# KiCad board panel.kicad_pcb (continued)
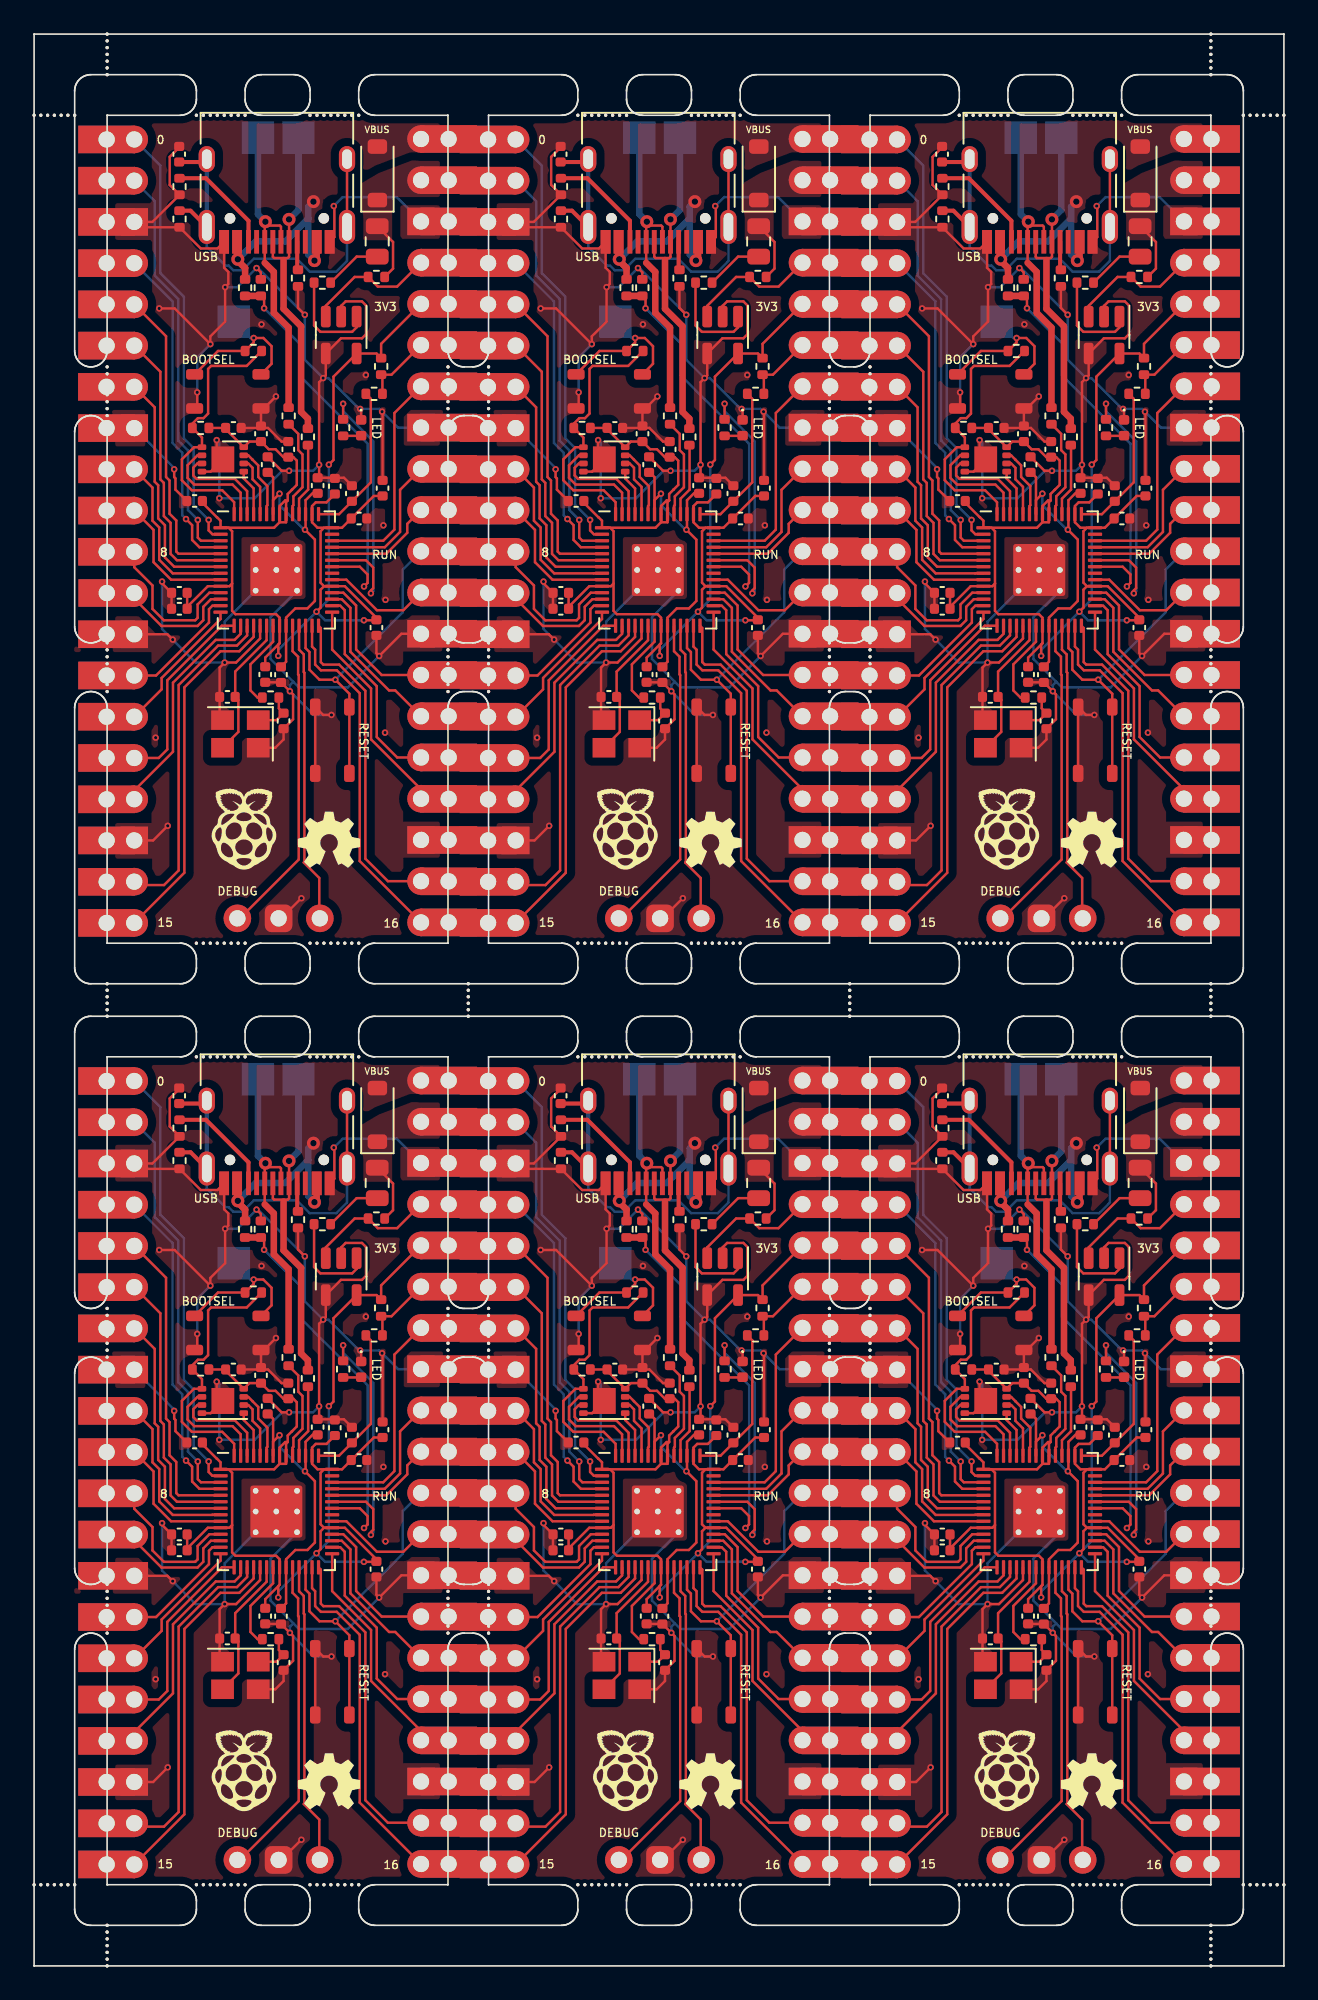
[diagram p0: board, top side]
## Placement (name value [footprint] x y rotation side) (continued)
KiKit_MB_33_3  -  [NPTH]  28 38.36 0 top
KiKit_MB_33_4  -  [NPTH]  28 38.79 0 top
KiKit_MB_33_5  -  [NPTH]  28 39.21 0 top
KiKit_MB_33_6  -  [NPTH]  28 39.64 0 top
KiKit_MB_33_7  -  [NPTH]  28 40.07 0 top
KiKit_MB_33_8  -  [NPTH]  28 40.5 0 top
KiKit_MB_34_1  -  [NPTH]  28 20.5 0 top
KiKit_MB_34_2  -  [NPTH]  28 20.93 0 top
KiKit_MB_34_3  -  [NPTH]  28 21.36 0 top
KiKit_MB_34_4  -  [NPTH]  28 21.79 0 top
KiKit_MB_34_5  -  [NPTH]  28 22.21 0 top
KiKit_MB_34_6  -  [NPTH]  28 22.64 0 top
KiKit_MB_34_7  -  [NPTH]  28 23.07 0 top
KiKit_MB_34_8  -  [NPTH]  28 23.5 0 top
KiKit_MB_35_1  -  [NPTH]  49 40.5 0 top
KiKit_MB_35_2  -  [NPTH]  49 40.07 0 top
KiKit_MB_35_3  -  [NPTH]  49 39.64 0 top
KiKit_MB_35_4  -  [NPTH]  49 39.21 0 top
KiKit_MB_35_5  -  [NPTH]  49 38.79 0 top
KiKit_MB_35_6  -  [NPTH]  49 38.36 0 top
KiKit_MB_35_7  -  [NPTH]  49 37.93 0 top
KiKit_MB_35_8  -  [NPTH]  49 37.5 0 top
KiKit_MB_36_1  -  [NPTH]  49 23.5 0 top
KiKit_MB_36_2  -  [NPTH]  49 23.07 0 top
KiKit_MB_36_3  -  [NPTH]  49 22.64 0 top
KiKit_MB_36_4  -  [NPTH]  49 22.21 0 top
KiKit_MB_36_5  -  [NPTH]  49 21.79 0 top
KiKit_MB_36_6  -  [NPTH]  49 21.36 0 top
KiKit_MB_36_7  -  [NPTH]  49 20.93 0 top
KiKit_MB_36_8  -  [NPTH]  49 20.5 0 top
KiKit_MB_37_1  -  [NPTH]  33.5 56 0 top
KiKit_MB_37_2  -  [NPTH]  33.93 56 0 top
KiKit_MB_37_3  -  [NPTH]  34.36 56 0 top
KiKit_MB_37_4  -  [NPTH]  34.79 56 0 top
KiKit_MB_37_5  -  [NPTH]  35.21 56 0 top
KiKit_MB_37_6  -  [NPTH]  35.64 56 0 top
KiKit_MB_37_7  -  [NPTH]  36.07 56 0 top
KiKit_MB_37_8  -  [NPTH]  36.5 56 0 top
KiKit_MB_38_1  -  [NPTH]  40.5 56 0 top
KiKit_MB_38_2  -  [NPTH]  40.93 56 0 top
KiKit_MB_38_3  -  [NPTH]  41.36 56 0 top
KiKit_MB_38_4  -  [NPTH]  41.79 56 0 top
KiKit_MB_38_5  -  [NPTH]  42.21 56 0 top
KiKit_MB_38_6  -  [NPTH]  42.64 56 0 top
KiKit_MB_38_7  -  [NPTH]  43.07 56 0 top
KiKit_MB_38_8  -  [NPTH]  43.5 56 0 top
KiKit_MB_39_1  -  [NPTH]  36.5 5 0 top
KiKit_MB_39_2  -  [NPTH]  36.07 5 0 top
KiKit_MB_39_3  -  [NPTH]  35.64 5 0 top
KiKit_MB_39_4  -  [NPTH]  35.21 5 0 top
KiKit_MB_39_5  -  [NPTH]  34.79 5 0 top
KiKit_MB_39_6  -  [NPTH]  34.36 5 0 top
KiKit_MB_39_7  -  [NPTH]  33.93 5 0 top
KiKit_MB_39_8  -  [NPTH]  33.5 5 0 top
KiKit_MB_40_1  -  [NPTH]  43.5 5 0 top
KiKit_MB_40_2  -  [NPTH]  43.07 5 0 top
KiKit_MB_40_3  -  [NPTH]  42.64 5 0 top
KiKit_MB_40_4  -  [NPTH]  42.21 5 0 top
KiKit_MB_40_5  -  [NPTH]  41.79 5 0 top
KiKit_MB_40_6  -  [NPTH]  41.36 5 0 top
KiKit_MB_40_7  -  [NPTH]  40.93 5 0 top
KiKit_MB_40_8  -  [NPTH]  40.5 5 0 top
KiKit_MB_41_1  -  [NPTH]  51.5 37.5 0 top
KiKit_MB_41_2  -  [NPTH]  51.5 37.93 0 top
KiKit_MB_41_3  -  [NPTH]  51.5 38.36 0 top
KiKit_MB_41_4  -  [NPTH]  51.5 38.79 0 top
KiKit_MB_41_5  -  [NPTH]  51.5 39.21 0 top
KiKit_MB_41_6  -  [NPTH]  51.5 39.64 0 top
KiKit_MB_41_7  -  [NPTH]  51.5 40.07 0 top
KiKit_MB_41_8  -  [NPTH]  51.5 40.5 0 top
KiKit_MB_42_1  -  [NPTH]  51.5 20.5 0 top
KiKit_MB_42_2  -  [NPTH]  51.5 20.93 0 top
KiKit_MB_42_3  -  [NPTH]  51.5 21.36 0 top
KiKit_MB_42_4  -  [NPTH]  51.5 21.79 0 top
KiKit_MB_42_5  -  [NPTH]  51.5 22.21 0 top
KiKit_MB_42_6  -  [NPTH]  51.5 22.64 0 top
KiKit_MB_42_7  -  [NPTH]  51.5 23.07 0 top
KiKit_MB_42_8  -  [NPTH]  51.5 23.5 0 top
KiKit_MB_43_1  -  [NPTH]  72.5 40.5 0 top
KiKit_MB_43_2  -  [NPTH]  72.5 40.07 0 top
KiKit_MB_43_3  -  [NPTH]  72.5 39.64 0 top
KiKit_MB_43_4  -  [NPTH]  72.5 39.21 0 top
KiKit_MB_43_5  -  [NPTH]  72.5 38.79 0 top
KiKit_MB_43_6  -  [NPTH]  72.5 38.36 0 top
KiKit_MB_43_7  -  [NPTH]  72.5 37.93 0 top
KiKit_MB_43_8  -  [NPTH]  72.5 37.5 0 top
KiKit_MB_44_1  -  [NPTH]  72.5 23.5 0 top
KiKit_MB_44_2  -  [NPTH]  72.5 23.07 0 top
KiKit_MB_44_3  -  [NPTH]  72.5 22.64 0 top
KiKit_MB_44_4  -  [NPTH]  72.5 22.21 0 top
KiKit_MB_44_5  -  [NPTH]  72.5 21.79 0 top
KiKit_MB_44_6  -  [NPTH]  72.5 21.36 0 top
KiKit_MB_44_7  -  [NPTH]  72.5 20.93 0 top
KiKit_MB_44_8  -  [NPTH]  72.5 20.5 0 top
KiKit_MB_45_1  -  [NPTH]  57 56 0 top
KiKit_MB_45_2  -  [NPTH]  57.43 56 0 top
KiKit_MB_45_3  -  [NPTH]  57.86 56 0 top
KiKit_MB_45_4  -  [NPTH]  58.29 56 0 top
KiKit_MB_45_5  -  [NPTH]  58.71 56 0 top
KiKit_MB_45_6  -  [NPTH]  59.14 56 0 top
KiKit_MB_45_7  -  [NPTH]  59.57 56 0 top
KiKit_MB_45_8  -  [NPTH]  60 56 0 top
KiKit_MB_46_1  -  [NPTH]  64 56 0 top
KiKit_MB_46_2  -  [NPTH]  64.43 56 0 top
KiKit_MB_46_3  -  [NPTH]  64.86 56 0 top
KiKit_MB_46_4  -  [NPTH]  65.29 56 0 top
KiKit_MB_46_5  -  [NPTH]  65.71 56 0 top
KiKit_MB_46_6  -  [NPTH]  66.14 56 0 top
KiKit_MB_46_7  -  [NPTH]  66.57 56 0 top
KiKit_MB_46_8  -  [NPTH]  67 56 0 top
KiKit_MB_47_1  -  [NPTH]  60 5 0 top
KiKit_MB_47_2  -  [NPTH]  59.57 5 0 top
KiKit_MB_47_3  -  [NPTH]  59.14 5 0 top
KiKit_MB_47_4  -  [NPTH]  58.71 5 0 top
KiKit_MB_47_5  -  [NPTH]  58.29 5 0 top
KiKit_MB_47_6  -  [NPTH]  57.86 5 0 top
KiKit_MB_47_7  -  [NPTH]  57.43 5 0 top
KiKit_MB_47_8  -  [NPTH]  57 5 0 top
KiKit_MB_48_1  -  [NPTH]  67 5 0 top
KiKit_MB_48_2  -  [NPTH]  66.57 5 0 top
KiKit_MB_48_3  -  [NPTH]  66.14 5 0 top
KiKit_MB_48_4  -  [NPTH]  65.71 5 0 top
KiKit_MB_48_5  -  [NPTH]  65.29 5 0 top
KiKit_MB_48_6  -  [NPTH]  64.86 5 0 top
KiKit_MB_48_7  -  [NPTH]  64.43 5 0 top
KiKit_MB_48_8  -  [NPTH]  64 5 0 top
KiKit_MB_49_1  -  [NPTH]  26.75 58.5 0 top
KiKit_MB_49_2  -  [NPTH]  26.75 58.9 0 top
KiKit_MB_49_3  -  [NPTH]  26.75 59.3 0 top
KiKit_MB_49_4  -  [NPTH]  26.75 59.7 0 top
KiKit_MB_49_5  -  [NPTH]  26.75 60.1 0 top
KiKit_MB_49_6  -  [NPTH]  26.75 60.5 0 top
KiKit_MB_50_1  -  [NPTH]  50.25 60.5 0 top
KiKit_MB_50_2  -  [NPTH]  50.25 60.1 0 top
KiKit_MB_50_3  -  [NPTH]  50.25 59.7 0 top
KiKit_MB_50_4  -  [NPTH]  50.25 59.3 0 top
KiKit_MB_50_5  -  [NPTH]  50.25 58.9 0 top
KiKit_MB_50_6  -  [NPTH]  50.25 58.5 0 top
KiKit_MB_51_1  -  [NPTH]  4.5 60.5 0 top
KiKit_MB_51_2  -  [NPTH]  4.5 60.1 0 top
KiKit_MB_51_3  -  [NPTH]  4.5 59.7 0 top
KiKit_MB_51_4  -  [NPTH]  4.5 59.3 0 top
KiKit_MB_51_5  -  [NPTH]  4.5 58.9 0 top
KiKit_MB_51_6  -  [NPTH]  4.5 58.5 0 top
KiKit_MB_52_1  -  [NPTH]  72.5 60.5 0 top
KiKit_MB_52_2  -  [NPTH]  72.5 60.1 0 top
KiKit_MB_52_3  -  [NPTH]  72.5 59.7 0 top
KiKit_MB_52_4  -  [NPTH]  72.5 59.3 0 top
KiKit_MB_52_5  -  [NPTH]  72.5 58.9 0 top
KiKit_MB_52_6  -  [NPTH]  72.5 58.5 0 top
KiKit_MB_53_1  -  [NPTH]  4.5 119 0 top
KiKit_MB_53_2  -  [NPTH]  4.5 118.58 0 top
KiKit_MB_53_3  -  [NPTH]  4.5 118.17 0 top
KiKit_MB_53_4  -  [NPTH]  4.5 117.75 0 top
KiKit_MB_53_5  -  [NPTH]  4.5 117.33 0 top
KiKit_MB_53_6  -  [NPTH]  4.5 116.92 0 top
KiKit_MB_53_7  -  [NPTH]  4.5 116.5 0 top
KiKit_MB_54_1  -  [NPTH]  72.5 119 0 top
KiKit_MB_54_2  -  [NPTH]  72.5 118.58 0 top
KiKit_MB_54_3  -  [NPTH]  72.5 118.17 0 top
KiKit_MB_54_4  -  [NPTH]  72.5 117.75 0 top
KiKit_MB_54_5  -  [NPTH]  72.5 117.33 0 top
KiKit_MB_54_6  -  [NPTH]  72.5 116.92 0 top
KiKit_MB_54_7  -  [NPTH]  72.5 116.5 0 top
KiKit_MB_55_1  -  [NPTH]  4.5 2.5 0 top
KiKit_MB_55_2  -  [NPTH]  4.5 2.08 0 top
KiKit_MB_55_3  -  [NPTH]  4.5 1.67 0 top
KiKit_MB_55_4  -  [NPTH]  4.5 1.25 0 top
KiKit_MB_55_5  -  [NPTH]  4.5 0.83 0 top
KiKit_MB_55_6  -  [NPTH]  4.5 0.42 0 top
KiKit_MB_55_7  -  [NPTH]  4.5 0 0 top
KiKit_MB_56_1  -  [NPTH]  72.5 2.5 0 top
KiKit_MB_56_2  -  [NPTH]  72.5 2.08 0 top
KiKit_MB_56_3  -  [NPTH]  72.5 1.67 0 top
KiKit_MB_56_4  -  [NPTH]  72.5 1.25 0 top
KiKit_MB_56_5  -  [NPTH]  72.5 0.83 0 top
KiKit_MB_56_6  -  [NPTH]  72.5 0.42 0 top
KiKit_MB_56_7  -  [NPTH]  72.5 0 0 top
KiKit_MB_57_1  -  [NPTH]  0 114 0 top
KiKit_MB_57_2  -  [NPTH]  0.42 114 0 top
KiKit_MB_57_3  -  [NPTH]  0.83 114 0 top
KiKit_MB_57_4  -  [NPTH]  1.25 114 0 top
KiKit_MB_57_5  -  [NPTH]  1.67 114 0 top
KiKit_MB_57_6  -  [NPTH]  2.08 114 0 top
KiKit_MB_57_7  -  [NPTH]  2.5 114 0 top
KiKit_MB_58_1  -  [NPTH]  0 5 0 top
KiKit_MB_58_2  -  [NPTH]  0.42 5 0 top
KiKit_MB_58_3  -  [NPTH]  0.83 5 0 top
KiKit_MB_58_4  -  [NPTH]  1.25 5 0 top
KiKit_MB_58_5  -  [NPTH]  1.67 5 0 top
KiKit_MB_58_6  -  [NPTH]  2.08 5 0 top
KiKit_MB_58_7  -  [NPTH]  2.5 5 0 top
KiKit_MB_59_1  -  [NPTH]  74.5 114 0 top
KiKit_MB_59_2  -  [NPTH]  74.92 114 0 top
KiKit_MB_59_3  -  [NPTH]  75.33 114 0 top
KiKit_MB_59_4  -  [NPTH]  75.75 114 0 top
KiKit_MB_59_5  -  [NPTH]  76.17 114 0 top
KiKit_MB_59_6  -  [NPTH]  76.58 114 0 top
KiKit_MB_59_7  -  [NPTH]  77 114 0 top
KiKit_MB_60_1  -  [NPTH]  74.5 5 0 top
KiKit_MB_60_2  -  [NPTH]  74.92 5 0 top
KiKit_MB_60_3  -  [NPTH]  75.33 5 0 top
KiKit_MB_60_4  -  [NPTH]  75.75 5 0 top
KiKit_MB_60_5  -  [NPTH]  76.17 5 0 top
KiKit_MB_60_6  -  [NPTH]  76.58 5 0 top
KiKit_MB_60_7  -  [NPTH]  77 5 0 top
R1  27  [R_0402_1005Metric]  15.68 37.48 90 top
R1#2  27  [R_0402_1005Metric]  62.68 37.48 90 top
R1#3  27  [R_0402_1005Metric]  39.18 95.48 90 top
R1#4  27  [R_0402_1005Metric]  15.68 95.48 90 top
R1#5  27  [R_0402_1005Metric]  62.68 95.48 90 top
R1#6  27  [R_0402_1005Metric]  39.18 37.48 90 top
R2  27  [R_0402_1005Metric]  40.37 94.19 90 top
R2#2  27  [R_0402_1005Metric]  40.37 36.19 90 top
R2#3  27  [R_0402_1005Metric]  63.87 94.19 90 top
R2#4  27  [R_0402_1005Metric]  63.87 36.19 90 top
R2#5  27  [R_0402_1005Metric]  16.87 36.19 90 top
R2#6  27  [R_0402_1005Metric]  16.87 94.19 90 top
R3  200  [R_0402_1005Metric]  68.38 40.53 270 top
R3#2  200  [R_0402_1005Metric]  44.88 98.53 270 top
R3#3  200  [R_0402_1005Metric]  21.38 40.53 270 top
R3#4  200  [R_0402_1005Metric]  68.38 98.53 270 top
R3#5  200  [R_0402_1005Metric]  21.38 98.53 270 top
R3#6  200  [R_0402_1005Metric]  44.88 40.53 270 top
R4  1  [R_0402_1005Metric]  44.45 96.84 180 top
R4#2  1  [R_0402_1005Metric]  44.45 38.84 180 top
R4#3  1  [R_0402_1005Metric]  67.95 96.84 180 top
R4#4  1  [R_0402_1005Metric]  67.95 38.84 180 top
R4#5  1  [R_0402_1005Metric]  20.95 38.84 180 top
R4#6  1  [R_0402_1005Metric]  20.95 96.84 180 top
R5  470  [R_0402_1005Metric]  19.04 36.76 270 top
R5#2  470  [R_0402_1005Metric]  66.04 94.76 270 top
R5#3  470  [R_0402_1005Metric]  66.04 36.76 270 top
R5#4  470  [R_0402_1005Metric]  19.04 94.76 270 top
R5#5  470  [R_0402_1005Metric]  42.54 36.76 270 top
R5#6  470  [R_0402_1005Metric]  42.54 94.76 270 top
R7  1k  [R_0402_1005Metric]  14.57 20.13 180 top
R7#2  1k  [R_0402_1005Metric]  38.07 20.13 180 top
R7#3  1k  [R_0402_1005Metric]  61.57 78.13 180 top
R7#4  1k  [R_0402_1005Metric]  38.07 78.13 180 top
R7#5  1k  [R_0402_1005Metric]  61.57 20.13 180 top
R7#6  1k  [R_0402_1005Metric]  14.57 78.13 180 top
R8  1k  [R_0402_1005Metric]  37.01 99.48 0 top
R8#2  1k  [R_0402_1005Metric]  37.01 41.48 0 top
R8#3  1k  [R_0402_1005Metric]  60.51 41.48 0 top
R8#4  1k  [R_0402_1005Metric]  13.51 41.48 0 top
R8#5  1k  [R_0402_1005Metric]  13.51 99.48 0 top
R8#6  1k  [R_0402_1005Metric]  60.51 99.48 0 top
R9  10k  [R_0402_1005Metric]  33.76 36.74 0 top
R9#2  10k  [R_0402_1005Metric]  57.26 94.74 0 top
R9#3  10k  [R_0402_1005Metric]  10.26 36.74 0 top
R9#4  10k  [R_0402_1005Metric]  33.76 94.74 0 top
R9#5  10k  [R_0402_1005Metric]  57.26 36.74 0 top
R9#6  10k  [R_0402_1005Metric]  10.26 94.74 0 top
R10  10k  [R_0402_1005Metric]  55.96 49.61 90 top
R10#2  10k  [R_0402_1005Metric]  55.96 107.61 90 top
R10#3  10k  [R_0402_1005Metric]  32.46 107.61 90 top
R10#4  10k  [R_0402_1005Metric]  8.96 107.61 90 top
R10#5  10k  [R_0402_1005Metric]  8.96 49.61 90 top
R10#6  10k  [R_0402_1005Metric]  32.46 49.61 90 top
R11  5.1k  [R_0402_1005Metric]  39.76 103.97 270 top
R11#2  5.1k  [R_0402_1005Metric]  63.26 103.97 270 top
R11#3  5.1k  [R_0402_1005Metric]  16.26 45.97 270 top
R11#4  5.1k  [R_0402_1005Metric]  63.26 45.97 270 top
R11#5  5.1k  [R_0402_1005Metric]  16.26 103.97 270 top
R11#6  5.1k  [R_0402_1005Metric]  39.76 45.97 270 top
R12  5.1k  [R_0402_1005Metric]  32.46 51.61 270 top
R12#2  5.1k  [R_0402_1005Metric]  55.96 109.61 270 top
R12#3  5.1k  [R_0402_1005Metric]  55.96 51.61 270 top
R12#4  5.1k  [R_0402_1005Metric]  8.96 109.61 270 top
R12#5  5.1k  [R_0402_1005Metric]  32.46 109.61 270 top
R12#6  5.1k  [R_0402_1005Metric]  8.96 51.61 270 top
R13  5.6k  [R_0402_1005Metric]  13 103.38 90 top
R13#2  5.6k  [R_0402_1005Metric]  13 45.38 90 top
R13#3  5.6k  [R_0402_1005Metric]  36.5 103.38 90 top
R13#4  5.6k  [R_0402_1005Metric]  60 45.38 90 top
R13#5  5.6k  [R_0402_1005Metric]  36.5 45.38 90 top
R13#6  5.6k  [R_0402_1005Metric]  60 103.38 90 top
R14  10k  [R_0402_1005Metric]  37.47 45.38 270 top
R14#2  10k  [R_0402_1005Metric]  13.97 45.38 270 top
R14#3  10k  [R_0402_1005Metric]  60.97 103.38 270 top
R14#4  10k  [R_0402_1005Metric]  60.97 45.38 270 top
R14#5  10k  [R_0402_1005Metric]  13.97 103.38 270 top
R14#6  10k  [R_0402_1005Metric]  37.47 103.38 270 top
R15  100k  [R_0402_1005Metric]  21.09 46.04 180 top
R15#2  100k  [R_0402_1005Metric]  44.59 104.04 180 top
R15#3  100k  [R_0402_1005Metric]  21.09 104.04 180 top
R15#4  100k  [R_0402_1005Metric]  68.09 104.04 180 top
R15#5  100k  [R_0402_1005Metric]  44.59 46.04 180 top
R15#6  100k  [R_0402_1005Metric]  68.09 46.04 180 top
SW1  RESET  [SW_Push_SPST_NO_Alps_SKRK#2]  66.78 72.92 90 top
SW1#2  RESET  [SW_Push_SPST_NO_Alps_SKRK#2]  66.78 14.92 90 top
SW1#3  RESET  [SW_Push_SPST_NO_Alps_SKRK#2]  19.78 14.92 90 top
SW1#4  RESET  [SW_Push_SPST_NO_Alps_SKRK#2]  43.28 72.92 90 top
SW1#5  RESET  [SW_Push_SPST_NO_Alps_SKRK#2]  19.78 72.92 90 top
SW1#6  RESET  [SW_Push_SPST_NO_Alps_SKRK#2]  43.28 14.92 90 top
SW2  BOOT_SEL  [SW_Push_SPST_NO_Alps_SKRK]  14.53 40.39 180 top
SW2#2  BOOT_SEL  [SW_Push_SPST_NO_Alps_SKRK]  38.03 98.39 180 top
SW2#3  BOOT_SEL  [SW_Push_SPST_NO_Alps_SKRK]  61.53 40.39 180 top
SW2#4  BOOT_SEL  [SW_Push_SPST_NO_Alps_SKRK]  38.03 40.39 180 top
SW2#5  BOOT_SEL  [SW_Push_SPST_NO_Alps_SKRK]  14.53 98.39 180 top
SW2#6  BOOT_SEL  [SW_Push_SPST_NO_Alps_SKRK]  61.53 98.39 180 top
TP1  TestPoint  [CustomTestPoint]  37.29 112.62 180 bottom
TP1#2  TestPoint  [CustomTestPoint]  37.29 54.62 180 bottom
TP1#3  TestPoint  [CustomTestPoint]  13.79 54.62 180 bottom
TP1#4  TestPoint  [CustomTestPoint]  13.79 112.62 180 bottom
TP1#5  TestPoint  [CustomTestPoint]  60.79 112.62 180 bottom
TP1#6  TestPoint  [CustomTestPoint]  60.79 54.62 180 bottom
TP2  TestPoint  [CustomTestPoint]  63.29 112.62 180 bottom
TP2#2  TestPoint  [CustomTestPoint]  39.79 112.62 180 bottom
TP2#3  TestPoint  [CustomTestPoint]  16.29 112.62 180 bottom
TP2#4  TestPoint  [CustomTestPoint]  39.79 54.62 180 bottom
TP2#5  TestPoint  [CustomTestPoint]  63.29 54.62 180 bottom
TP2#6  TestPoint  [CustomTestPoint]  16.29 54.62 180 bottom
TP3  TestPoint  [CustomTestPoint]  12.31 101.29 180 bottom
TP3#2  TestPoint  [CustomTestPoint]  59.31 101.29 180 bottom
TP3#3  TestPoint  [CustomTestPoint]  35.81 43.29 180 bottom
TP3#4  TestPoint  [CustomTestPoint]  12.31 43.29 180 bottom
TP3#5  TestPoint  [CustomTestPoint]  35.81 101.29 180 bottom
TP3#6  TestPoint  [CustomTestPoint]  59.31 43.29 180 bottom
U1  RP2040  [RP2040-QFN-56]  38.43 27.99 0 top
U1#2  RP2040  [RP2040-QFN-56]  14.92 85.99 0 top
U1#3  RP2040  [RP2040-QFN-56]  38.43 85.99 0 top
U1#4  RP2040  [RP2040-QFN-56]  14.92 27.99 0 top
U1#5  RP2040  [RP2040-QFN-56]  61.93 27.99 0 top
U1#6  RP2040  [RP2040-QFN-56]  61.93 85.99 0 top
U2  W25Q16JVUXIQ  [SON-8-1EP_3x2mm_P0.5mm_EP1.4x1.6mm]  58.63 92.8 0 top
U2#2  W25Q16JVUXIQ  [SON-8-1EP_3x2mm_P0.5mm_EP1.4x1.6mm]  11.63 92.8 0 top
U2#3  W25Q16JVUXIQ  [SON-8-1EP_3x2mm_P0.5mm_EP1.4x1.6mm]  11.63 34.8 0 top
U2#4  W25Q16JVUXIQ  [SON-8-1EP_3x2mm_P0.5mm_EP1.4x1.6mm]  58.63 34.8 0 top
U2#5  W25Q16JVUXIQ  [SON-8-1EP_3x2mm_P0.5mm_EP1.4x1.6mm]  35.13 34.8 0 top
U2#6  W25Q16JVUXIQ  [SON-8-1EP_3x2mm_P0.5mm_EP1.4x1.6mm]  35.13 92.8 0 top
U3  TLV75533PDBVR  [SOT-23-5]  65.92 42.46 270 top
U3#2  TLV75533PDBVR  [SOT-23-5]  42.42 42.46 270 top
U3#3  TLV75533PDBVR  [SOT-23-5]  18.92 100.46 270 top
U3#4  TLV75533PDBVR  [SOT-23-5]  18.92 42.46 270 top
U3#5  TLV75533PDBVR  [SOT-23-5]  42.42 100.46 270 top
U3#6  TLV75533PDBVR  [SOT-23-5]  65.92 100.46 270 top
Y1  12MHz  [Crystal_SMD_3225-4Pin_3.2x2.5mm]  59.71 75.89 180 top
Y1#2  12MHz  [Crystal_SMD_3225-4Pin_3.2x2.5mm]  12.71 17.89 180 top
Y1#3  12MHz  [Crystal_SMD_3225-4Pin_3.2x2.5mm]  36.21 75.89 180 top
Y1#4  12MHz  [Crystal_SMD_3225-4Pin_3.2x2.5mm]  59.71 17.89 180 top
Y1#5  12MHz  [Crystal_SMD_3225-4Pin_3.2x2.5mm]  36.21 17.89 180 top
Y1#6  12MHz  [Crystal_SMD_3225-4Pin_3.2x2.5mm]  12.71 75.89 180 top

## Library data of the parts
C1 C1#2-C1#6 C2 C2#2-C2#6 C3 C3#2-C3#6 C4 C4#2-C4#6 C5 C5#2-C5#6 C6 C6#2-C6#6 C7 C7#2-C7#6 C8 C8#2-C8#6 C9 C9#2-C9#6 C10 C10#2-C10#6 C11 C11#2-C11#6 C12 C12#2-C12#6 C13 C13#2-C13#6 C14 C14#2-C14#6 C15 C15#2-C15#6 C16 C16#2-C16#6 C17 C17#2-C17#6 C19 C19#2-C19#6 = -: Description: Unpolarized capacitor
D1 D1#2-D1#6 = -: Description: Light emitting diode
D3 D3#2-D3#6 = -: Description: Zener diode
F1 F1#2-F1#6 = -: Description: Resettable fuse, polymeric positive temperature coefficient
FB1 FB1#2-FB1#6 = -: Description: Ferrite bead
J1 J1#2-J1#6 J2 J2#2-J2#6 = -: Description: Generic connector, single row, 01x20, script generated
J3 J3#2-J3#6 = -: Description: Generic connector, single row, 01x03, script generated
J4 J4#2-J4#6 = -: Description: USB 2.0-only Type-C Receptacle connector
R1 R1#2-R1#6 R2 R2#2-R2#6 R3 R3#2-R3#6 R4 R4#2-R4#6 R5 R5#2-R5#6 R7 R7#2-R7#6 R8 R8#2-R8#6 R9 R9#2-R9#6 R10 R10#2-R10#6 R11 R11#2-R11#6 R12 R12#2-R12#6 R13 R13#2-R13#6 R14 R14#2-R14#6 R15 R15#2-R15#6 = -: Description: Resistor
SW1 SW1#2-SW1#6 SW2 SW2#2-SW2#6 = -: Description: Push button switch, generic, two pins
TP1 TP1#2-TP1#6 TP2 TP2#2-TP2#6 TP3 TP3#2-TP3#6 = -: Description: test point
U2 U2#2-U2#6 = -: Description: 32Mb Serial Flash Memory, Standard/Dual/Quad SPI, DFN-8
U3 U3#2-U3#6 = -: Description: 300mA low dropout linear regulator, shutdown pin, 1.5V fixed positive output, SOT-23-5
Y1 Y1#2-Y1#6 = -: Description: Four pin crystal, GND on pins 2 and 4

## Footprints (pads in the part's own frame, mm; a bottom-side part is the same pattern mirrored in y, then rotated)
C_0402_1005Metric
  rrect 0.56x0.62 smd: 1(-0.48,0) 2(0.48,0)
Crystal_SMD_3225-4Pin_3.2x2.5mm
  rect 1.4x1.2 smd: 1(-1.1,-0.85) 2(1.1,-0.85) 3(1.1,0.85) 4(-1.1,0.85)
CustomTestPoint
  rect 2x2 smd: 1(0,0)
D_SOD-123
  rrect 0.9x1.2 smd: 1(-1.65,0) 2(1.65,0)
Fuse_0805_2012Metric
  rrect 0.975x1.4 smd: 1(-0.938,0) 2(0.938,0)
HRO-TYPE-C-31-M-12
  round 0.65 hole 0.65 unplated: (-2.84,6.31) (2.94,6.31)
  rect 0.6x1.45 smd: A1(-3.2,7.755) A4(-2.4,7.755) A9(2.5,7.755) A12(3.3,7.755) B1(3.3,7.755) B4(2.5,7.755) B9(-2.4,7.755) B12(-3.2,7.755)
  rect 0.3x1.45 smd: A5(-1.2,7.755) A6(-0.2,7.755) A7(0.3,7.755) A8(1.3,7.755) B5(1.8,7.755) B6(0.8,7.755) B7(-0.7,7.755) B8(-1.7,7.755)
  oval 1x2.1 hole 0.6x1.7: S1(-4.27,6.84) S1(4.37,6.84)
  oval 1x1.6 hole 0.6x1.2: S1(-4.27,2.66) S1(4.37,2.66)
LED_0402_1005Metric
  rrect 0.59x0.64 smd: 1(-0.485,0) 2(0.485,0)
NPTH
  round 0.2 hole 0.2 unplated: (0,0)
PinHeader_1x03_P2.54mm_Vertical
  oval 1.7x1.7 hole 1: 1(0,0.18) 3(0,-4.9)
  rrect 1.7x1.7 hole 1: 2(0,-2.36)
PinHeader_1x20_P2.54mm_Vertical
  round 1.7 hole 1: 1(0.04,0.18)
  rect 3.5x1.7 hole 1: 1(1.74,0.18) 2(1.74,-2.36) 3(1.74,-4.9) 4(1.74,-7.44) 5(1.74,-9.98) 6(1.74,-12.52) 7(1.75,-15.06) 8(1.74,-17.6) 9(1.74,-20.14) 10(1.74,-22.68) 11(1.74,-25.22) 12(1.73,-27.76) 13(1.74,-30.3) 14(1.74,-32.84) 15(1.74,-35.38) 16(1.74,-37.92) 17(1.74,-40.47) 18(1.74,-43) 19(1.74,-45.55) 20(1.74,-48.08)
  oval 1.7x1.7 hole 1: 2(0.04,-2.36) 4(0.04,-7.44) 5(0.04,-9.98) 6(0.04,-12.52) 7(0.04,-15.06) 9(0.04,-20.14) 10(0.04,-22.68) 11(0.04,-25.22) 12(0.04,-27.76) 14(0.04,-32.84) 15(0.04,-35.38) 16(0.04,-37.92) 17(0.04,-40.46) 19(0.04,-45.54) 20(0.04,-48.08)
  rect 1.7x1.7 hole 1: 3(0.04,-4.9) 8(0.04,-17.6) 13(0.04,-30.3) 18(0.04,-43)
PinHeader_1x20_P2.54mm_Vertical#2
  rect 3.5x1.7 hole 1: 1(-1.64,0.4) 2(-1.64,-2.14) 3(-1.64,-4.68) 4(-1.64,-7.22) 5(-1.64,-9.76) 6(-1.64,-12.3) 7(-1.65,-14.84) 8(-1.64,-17.38) 9(-1.64,-19.92) 10(-1.64,-22.46) 11(-1.64,-25) 12(-1.63,-27.54) 13(-1.64,-30.08) 14(-1.64,-32.62) 15(-1.64,-35.16) 16(-1.64,-37.7) 17(-1.64,-40.25) 18(-1.64,-42.78) 19(-1.64,-45.33) 20(-1.64,-47.86)
  round 1.7 hole 1: 1(0.06,0.4)
  oval 1.7x1.7 hole 1: 2(0.06,-2.14) 4(0.06,-7.22) 5(0.06,-9.76) 6(0.06,-12.3) 7(0.06,-14.84) 9(0.06,-19.92) 10(0.06,-22.46) 11(0.06,-25) 12(0.06,-27.54) 14(0.06,-32.62) 15(0.06,-35.16) 16(0.06,-37.7) 17(0.06,-40.24) 19(0.06,-45.32) 20(0.06,-47.86)
  rect 1.7x1.7 hole 1: 3(0.06,-4.68) 8(0.06,-17.38) 13(0.06,-30.08) 18(0.06,-42.78)
R_0402_1005Metric
  rrect 0.54x0.64 smd: 1(-0.51,0) 2(0.51,0)
RP2040-QFN-56
  rrect 1.084x1.084 smd: (-0.637,0.637) (-0.637,-0.637) (0.637,0.637) (0.637,-0.637)
  rrect 0.875x0.2 smd: 1(-3.438,2.6) 2(-3.438,2.2) 3(-3.438,1.8) 4(-3.438,1.4) 5(-3.438,1) 6(-3.438,0.6) 7(-3.438,0.2) 8(-3.438,-0.2) 9(-3.438,-0.6) 10(-3.438,-1) 11(-3.438,-1.4) 12(-3.438,-1.8) 13(-3.438,-2.2) 14(-3.438,-2.6) 29(3.438,-2.6) 30(3.438,-2.2) 31(3.438,-1.8) 32(3.438,-1.4) 33(3.438,-1) 34(3.438,-0.6) 35(3.438,-0.2) 36(3.438,0.2) 37(3.438,0.6) 38(3.438,1) 39(3.438,1.4) 40(3.438,1.8) 41(3.438,2.2) 42(3.438,2.6)
  rrect 0.2x0.875 smd: 15(-2.6,-3.438) 16(-2.2,-3.438) 17(-1.8,-3.438) 18(-1.4,-3.438) 19(-1,-3.438) 20(-0.6,-3.438) 21(-0.2,-3.438) 22(0.2,-3.438) 23(0.6,-3.438) 24(1,-3.438) 25(1.4,-3.438) 26(1.8,-3.438) 27(2.2,-3.438) 28(2.6,-3.438) 43(2.6,3.438) 44(2.2,3.438) 45(1.8,3.438) 46(1.4,3.438) 47(1,3.438) 48(0.6,3.438) 49(0.2,3.438) 50(-0.2,3.438) 51(-0.6,3.438) 52(-1,3.438) 53(-1.4,3.438) 54(-1.8,3.438) 55(-2.2,3.438) 56(-2.6,3.438)
  round 0.6 hole 0.35: 57(-1.275,1.275) 57(-1.275,0) 57(-1.275,-1.275) 57(0,1.275) 57(0,0) 57(0,-1.275) 57(1.275,1.275) 57(1.275,0) 57(1.275,-1.275)
  rrect 3.2x3.2 smd: 57(0,0)
SON-8-1EP_3x2mm_P0.5mm_EP1.4x1.6mm
  rrect 0.56x0.64 smd: (-0.35,0.4) (-0.35,-0.4) (0.35,0.4) (0.35,-0.4)
  rrect 0.525x0.35 smd: 1(-1.288,0.75) 2(-1.288,0.25) 3(-1.288,-0.25) 4(-1.288,-0.75) 5(1.288,-0.75) 6(1.288,-0.25) 7(1.288,0.25) 8(1.288,0.75)
  rect 1.4x1.6 smd: 9(0,0)
SOT-23-5
  rrect 1.325x0.6 smd: 1(-1.137,0.95) 2(-1.137,0) 3(-1.137,-0.95) 4(1.137,-0.95) 5(1.137,0.95)
SW_Push_SPST_NO_Alps_SKRK
  rrect 1.05x0.65 smd: 1(0.55,2.45) 1(4.64,2.45) 2(0.55,0.35) 2(4.64,0.35)
SW_Push_SPST_NO_Alps_SKRK#2
  rrect 1.05x0.65 smd: 1(0.54,2.46) 1(4.63,2.46) 2(0.54,0.36) 2(4.63,0.36)

## Nets
Board_0-3V3_EN: J2#6.4 R15#3.2 U3#3.3
Board_0-+1V1: C1#6.1 C2#5.1 C3#5.1 U1#2.23 U1#2.45 U1#2.50
Board_0-+3V3: C4#3.1 C5#6.1 C6#4.1 C7#6.1 C8#2.1 C9#3.1 C10.1 C11#5.1 C13#4.1 C16#3.2 C19#2.1 J2#6.5 R3#5.1 R9#6.2 U1#2.1 U1#2.10 U1#2.22 U1#2.33 U1#2.42 U1#2.44 U1#2.48 U1#2.49 U2#2.8 U3#3.5
Board_0-/ADC_VREF: J2#6.6 R3#5.2 R4#6.1
Board_0-/GPIO0: J1.1 U1#2.2
Board_0-/GPIO1: J1.2 U1#2.3
Board_0-/GPIO2: J1.4 U1#2.4
Board_0-/GPIO3: J1.5 U1#2.5
Board_0-/GPIO4: J1.6 U1#2.6
Board_0-/GPIO5: J1.7 U1#2.7
Board_0-/GPIO6: J1.9 U1#2.8
Board_0-/GPIO7: J1.10 U1#2.9
Board_0-/GPIO8: J1.11 U1#2.11
Board_0-/GPIO9: J1.12 U1#2.12
Board_0-/GPIO10: J1.14 U1#2.13
Board_0-/GPIO11: J1.15 U1#2.14
Board_0-/GPIO12: J1.16 U1#2.15
Board_0-/GPIO13: J1.17 U1#2.16
Board_0-/GPIO14: J1.19 U1#2.17
Board_0-/GPIO15: J1.20 U1#2.18
Board_0-/GPIO16: J2#6.20 U1#2.27
Board_0-/GPIO17: J2#6.19 U1#2.28
Board_0-/GPIO18: J2#6.17 U1#2.29
Board_0-/GPIO19: J2#6.16 U1#2.30
Board_0-/GPIO20: J2#6.15 U1#2.31
Board_0-/GPIO21: J2#6.14 U1#2.32
Board_0-/GPIO22: J2#6.12 U1#2.34
Board_0-/GPIO23: U1#2.35
Board_0-/GPIO24: R13.1 R14#5.2 U1#2.36
Board_0-/GPIO25: R5#4.1 U1#2.37
Board_0-/GPIO26_ADC0: J2#6.10 U1#2.38
Board_0-/GPIO27_ADC1: J2#6.9 U1#2.39
Board_0-/GPIO28_ADC2: J2#6.7 U1#2.40
Board_0-/GPIO29_ADC3: U1#2.41
Board_0-/QSPI_SCLK: U1#2.52 U2#2.6
Board_0-/QSPI_SD0: U1#2.53 U2#2.5
Board_0-/QSPI_SD1: U1#2.55 U2#2.2
Board_0-/QSPI_SD2: U1#2.54 U2#2.3
Board_0-/QSPI_SD3: U1#2.51 U2#2.7
Board_0-/QSPI_SS: R8#5.2 R9#6.1 U1#2.56 U2#2.1
Board_0-/RUN: J2#6.11 SW1#5.2 U1#2.26
Board_0-/SWCLK: J3.1 U1#2.24
Board_0-/SWD: J3.3 U1#2.25
Board_0-/USB_BOOT: R8#5.1 SW2#5.2 TP3.1
Board_0-/USB_DM: J4#3.A7 J4#3.B7 R2#6.2 TP2#3.1
Board_0-/USB_DP: J4#3.A6 J4#3.B6 R1#4.2 TP1#4.1
Board_0-GND: C1#6.2 C2#5.2 C3#5.2 C4#3.2 C5#6.2 C6#4.2 C7#6.2 C8#2.2 C9#3.2 C10.2 C11#5.2 C12#6.2 C13#4.2 C14#2.2 C15#2.1 C16#3.1 C17#3.2 C19#2.2 D1#4.1 J1.3 J1.8 J1.13 J1.18 J2#6.3 J2#6.8 J2#6.13 J2#6.18 J3.2 J4#3.A1 J4#3.A12 J4#3.B1 J4#3.B12 R10#4.1 R11#5.2 R12#4.2 R14#5.1 SW1#5.1 SW2#5.1 U1#2.19 U1#2.57 U2#2.4 U2#2.9 U3#3.2 U3#3.4 Y1#6.2 Y1#6.4
Board_0-Net-(C14-Pad1): C14#2.1 R7#6.1 Y1#6.1
Board_0-Net-(D1-A): D1#4.2 R5#4.2
Board_0-Net-(F1-Pad2): F1#6.2 FB1.2
Board_0-Net-(J4-CC1): J4#3.A5 R11#5.1
Board_0-Net-(J4-CC2): J4#3.B5 R12#4.1
Board_0-Net-(J4-SHIELD): C17#3.1 J4#3.S1 R10#4.2
Board_0-Net-(U1-ADC_AVDD): C12#6.1 R4#6.2 U1#2.43
Board_0-Net-(U1-USB_DM): R2#6.1 U1#2.46
Board_0-Net-(U1-USB_DP): R1#4.1 U1#2.47
Board_0-Net-(U3-IN): FB1.1 U3#3.1
Board_0-unconnected-(J4-SBU1-PadA8): J4#3.A8
Board_0-unconnected-(J4-SBU2-PadB8): J4#3.B8
Board_0-VBUS: D3#2.2 J2#6.1 J4#3.A4 J4#3.A9 J4#3.B4 J4#3.B9 R13.2
Board_0-VSYS: D3#2.1 F1#6.1 J2#6.2 R15#3.1
Board_0-XIN: C15#2.2 U1#2.20 Y1#6.3
Board_0-XOUT: R7#6.2 U1#2.21
Board_1-3V3_EN: J2#5.4 R15#2.2 U3#5.3
Board_1-+1V1: C1.1 C2#2.1 C3#6.1 U1#3.23 U1#3.45 U1#3.50
Board_1-+3V3: C4#2.1 C5#4.1 C6.1 C7.1 C8.1 C9#5.1 C10#4.1 C11#4.1 C13#6.1 C16#6.2 C19#6.1 J2#5.5 R3#2.1 R9#4.2 U1#3.1 U1#3.10 U1#3.22 U1#3.33 U1#3.42 U1#3.44 U1#3.48 U1#3.49 U2#6.8 U3#5.5
Board_1-/ADC_VREF: J2#5.6 R3#2.2 R4.1
Board_1-/GPIO0: J1#3.1 U1#3.2
Board_1-/GPIO1: J1#3.2 U1#3.3
Board_1-/GPIO2: J1#3.4 U1#3.4
Board_1-/GPIO3: J1#3.5 U1#3.5
Board_1-/GPIO4: J1#3.6 U1#3.6
Board_1-/GPIO5: J1#3.7 U1#3.7
Board_1-/GPIO6: J1#3.9 U1#3.8
Board_1-/GPIO7: J1#3.10 U1#3.9
Board_1-/GPIO8: J1#3.11 U1#3.11
Board_1-/GPIO9: J1#3.12 U1#3.12
Board_1-/GPIO10: J1#3.14 U1#3.13
Board_1-/GPIO11: J1#3.15 U1#3.14
Board_1-/GPIO12: J1#3.16 U1#3.15
Board_1-/GPIO13: J1#3.17 U1#3.16
Board_1-/GPIO14: J1#3.19 U1#3.17
Board_1-/GPIO15: J1#3.20 U1#3.18
Board_1-/GPIO16: J2#5.20 U1#3.27
Board_1-/GPIO17: J2#5.19 U1#3.28
Board_1-/GPIO18: J2#5.17 U1#3.29
Board_1-/GPIO19: J2#5.16 U1#3.30
Board_1-/GPIO20: J2#5.15 U1#3.31
Board_1-/GPIO21: J2#5.14 U1#3.32
Board_1-/GPIO22: J2#5.12 U1#3.34
Board_1-/GPIO23: U1#3.35
Board_1-/GPIO24: R13#3.1 R14#6.2 U1#3.36
Board_1-/GPIO25: R5#6.1 U1#3.37
Board_1-/GPIO26_ADC0: J2#5.10 U1#3.38
Board_1-/GPIO27_ADC1: J2#5.9 U1#3.39
Board_1-/GPIO28_ADC2: J2#5.7 U1#3.40
Board_1-/GPIO29_ADC3: U1#3.41
Board_1-/QSPI_SCLK: U1#3.52 U2#6.6
Board_1-/QSPI_SD0: U1#3.53 U2#6.5
Board_1-/QSPI_SD1: U1#3.55 U2#6.2
Board_1-/QSPI_SD2: U1#3.54 U2#6.3
Board_1-/QSPI_SD3: U1#3.51 U2#6.7
Board_1-/QSPI_SS: R8.2 R9#4.1 U1#3.56 U2#6.1
Board_1-/RUN: J2#5.11 SW1#4.2 U1#3.26
Board_1-/SWCLK: J3#3.1 U1#3.24
Board_1-/SWD: J3#3.3 U1#3.25
Board_1-/USB_BOOT: R8.1 SW2#2.2 TP3#5.1
Board_1-/USB_DM: J4#4.A7 J4#4.B7 R2.2 TP2#2.1
Board_1-/USB_DP: J4#4.A6 J4#4.B6 R1#3.2 TP1.1
Board_1-GND: C1.2 C2#2.2 C3#6.2 C4#2.2 C5#4.2 C6.2 C7.2 C8.2 C9#5.2 C10#4.2 C11#4.2 C12#4.2 C13#6.2 C14#3.2 C15#6.1 C16#6.1 C17#4.2 C19#6.2 D1#3.1 J1#3.3 J1#3.8 J1#3.13 J1#3.18 J2#5.3 J2#5.8 J2#5.13 J2#5.18 J3#3.2 J4#4.A1 J4#4.A12 J4#4.B1 J4#4.B12 R10#3.1 R11.2 R12#5.2 R14#6.1 SW1#4.1 SW2#2.1 U1#3.19 U1#3.57 U2#6.4 U2#6.9 U3#5.2 U3#5.4 Y1#3.2 Y1#3.4
Board_1-Net-(C14-Pad1): C14#3.1 R7#4.1 Y1#3.1
Board_1-Net-(D1-A): D1#3.2 R5#6.2
Board_1-Net-(F1-Pad2): F1#3.2 FB1#6.2
Board_1-Net-(J4-CC1): J4#4.A5 R11.1
Board_1-Net-(J4-CC2): J4#4.B5 R12#5.1
Board_1-Net-(J4-SHIELD): C17#4.1 J4#4.S1 R10#3.2
Board_1-Net-(U1-ADC_AVDD): C12#4.1 R4.2 U1#3.43
Board_1-Net-(U1-USB_DM): R2.1 U1#3.46
Board_1-Net-(U1-USB_DP): R1#3.1 U1#3.47
Board_1-Net-(U3-IN): FB1#6.1 U3#5.1
Board_1-unconnected-(J4-SBU1-PadA8): J4#4.A8
Board_1-unconnected-(J4-SBU2-PadB8): J4#4.B8
Board_1-VBUS: D3#6.2 J2#5.1 J4#4.A4 J4#4.A9 J4#4.B4 J4#4.B9 R13#3.2
Board_1-VSYS: D3#6.1 F1#3.1 J2#5.2 R15#2.1
Board_1-XIN: C15#6.2 U1#3.20 Y1#3.3
Board_1-XOUT: R7#4.2 U1#3.21
Board_2-3V3_EN: J2#2.4 R15#4.2 U3#6.3
Board_2-+1V1: C1#2.1 C2#6.1 C3#3.1 U1#6.23 U1#6.45 U1#6.50
Board_2-+3V3: C4.1 C5#5.1 C6#3.1 C7#3.1 C8#5.1 C9.1 C10#5.1 C11.1 C13.1 C16#5.2 C19#5.1 J2#2.5 R3#4.1 R9#2.2 U1#6.1 U1#6.10 U1#6.22 U1#6.33 U1#6.42 U1#6.44 U1#6.48 U1#6.49 U2.8 U3#6.5
Board_2-/ADC_VREF: J2#2.6 R3#4.2 R4#3.1
Board_2-/GPIO0: J1#5.1 U1#6.2
Board_2-/GPIO1: J1#5.2 U1#6.3
Board_2-/GPIO2: J1#5.4 U1#6.4
Board_2-/GPIO3: J1#5.5 U1#6.5
Board_2-/GPIO4: J1#5.6 U1#6.6
Board_2-/GPIO5: J1#5.7 U1#6.7
Board_2-/GPIO6: J1#5.9 U1#6.8
Board_2-/GPIO7: J1#5.10 U1#6.9
Board_2-/GPIO8: J1#5.11 U1#6.11
Board_2-/GPIO9: J1#5.12 U1#6.12
Board_2-/GPIO10: J1#5.14 U1#6.13
Board_2-/GPIO11: J1#5.15 U1#6.14
Board_2-/GPIO12: J1#5.16 U1#6.15
Board_2-/GPIO13: J1#5.17 U1#6.16
Board_2-/GPIO14: J1#5.19 U1#6.17
Board_2-/GPIO15: J1#5.20 U1#6.18
Board_2-/GPIO16: J2#2.20 U1#6.27
Board_2-/GPIO17: J2#2.19 U1#6.28
Board_2-/GPIO18: J2#2.17 U1#6.29
Board_2-/GPIO19: J2#2.16 U1#6.30
Board_2-/GPIO20: J2#2.15 U1#6.31
Board_2-/GPIO21: J2#2.14 U1#6.32
Board_2-/GPIO22: J2#2.12 U1#6.34
Board_2-/GPIO23: U1#6.35
Board_2-/GPIO24: R13#6.1 R14#3.2 U1#6.36
Board_2-/GPIO25: R5#2.1 U1#6.37
Board_2-/GPIO26_ADC0: J2#2.10 U1#6.38
Board_2-/GPIO27_ADC1: J2#2.9 U1#6.39
Board_2-/GPIO28_ADC2: J2#2.7 U1#6.40
Board_2-/GPIO29_ADC3: U1#6.41
Board_2-/QSPI_SCLK: U1#6.52 U2.6
Board_2-/QSPI_SD0: U1#6.53 U2.5
Board_2-/QSPI_SD1: U1#6.55 U2.2
Board_2-/QSPI_SD2: U1#6.54 U2.3
Board_2-/QSPI_SD3: U1#6.51 U2.7
Board_2-/QSPI_SS: R8#6.2 R9#2.1 U1#6.56 U2.1
Board_2-/RUN: J2#2.11 SW1.2 U1#6.26
Board_2-/SWCLK: J3#5.1 U1#6.24
Board_2-/SWD: J3#5.3 U1#6.25
Board_2-/USB_BOOT: R8#6.1 SW2#6.2 TP3#2.1
Board_2-/USB_DM: J4.A7 J4.B7 R2#3.2 TP2.1
Board_2-/USB_DP: J4.A6 J4.B6 R1#5.2 TP1#5.1
Board_2-GND: C1#2.2 C2#6.2 C3#3.2 C4.2 C5#5.2 C6#3.2 C7#3.2 C8#5.2 C9.2 C10#5.2 C11.2 C12#5.2 C13.2 C14.2 C15.1 C16#5.1 C17#2.2 C19#5.2 D1#5.1 J1#5.3 J1#5.8 J1#5.13 J1#5.18 J2#2.3 J2#2.8 J2#2.13 J2#2.18 J3#5.2 J4.A1 J4.A12 J4.B1 J4.B12 R10#2.1 R11#2.2 R12#2.2 R14#3.1 SW1.1 SW2#6.1 U1#6.19 U1#6.57 U2.4 U2.9 U3#6.2 U3#6.4 Y1.2 Y1.4
Board_2-Net-(C14-Pad1): C14.1 R7#3.1 Y1.1
Board_2-Net-(D1-A): D1#5.2 R5#2.2
Board_2-Net-(F1-Pad2): F1#4.2 FB1#2.2
